# Altium PCB GEM_AFE_128.PcbDoc (part 10 of 18)
Units mm, origin at the board's own origin, x right, y up, seen from the top; angles counter-clockwise.
Board outline 112 x 81.5 mm, 8 copper layers (Top Layer, L1, L2, L3, L4, L5, L6, Bottom Layer), stack 1.52 mm thick; 1880 components, 1258 nets, 6287 pads, 2369 vias.
Unrouted connection lines stored in the file: 4.
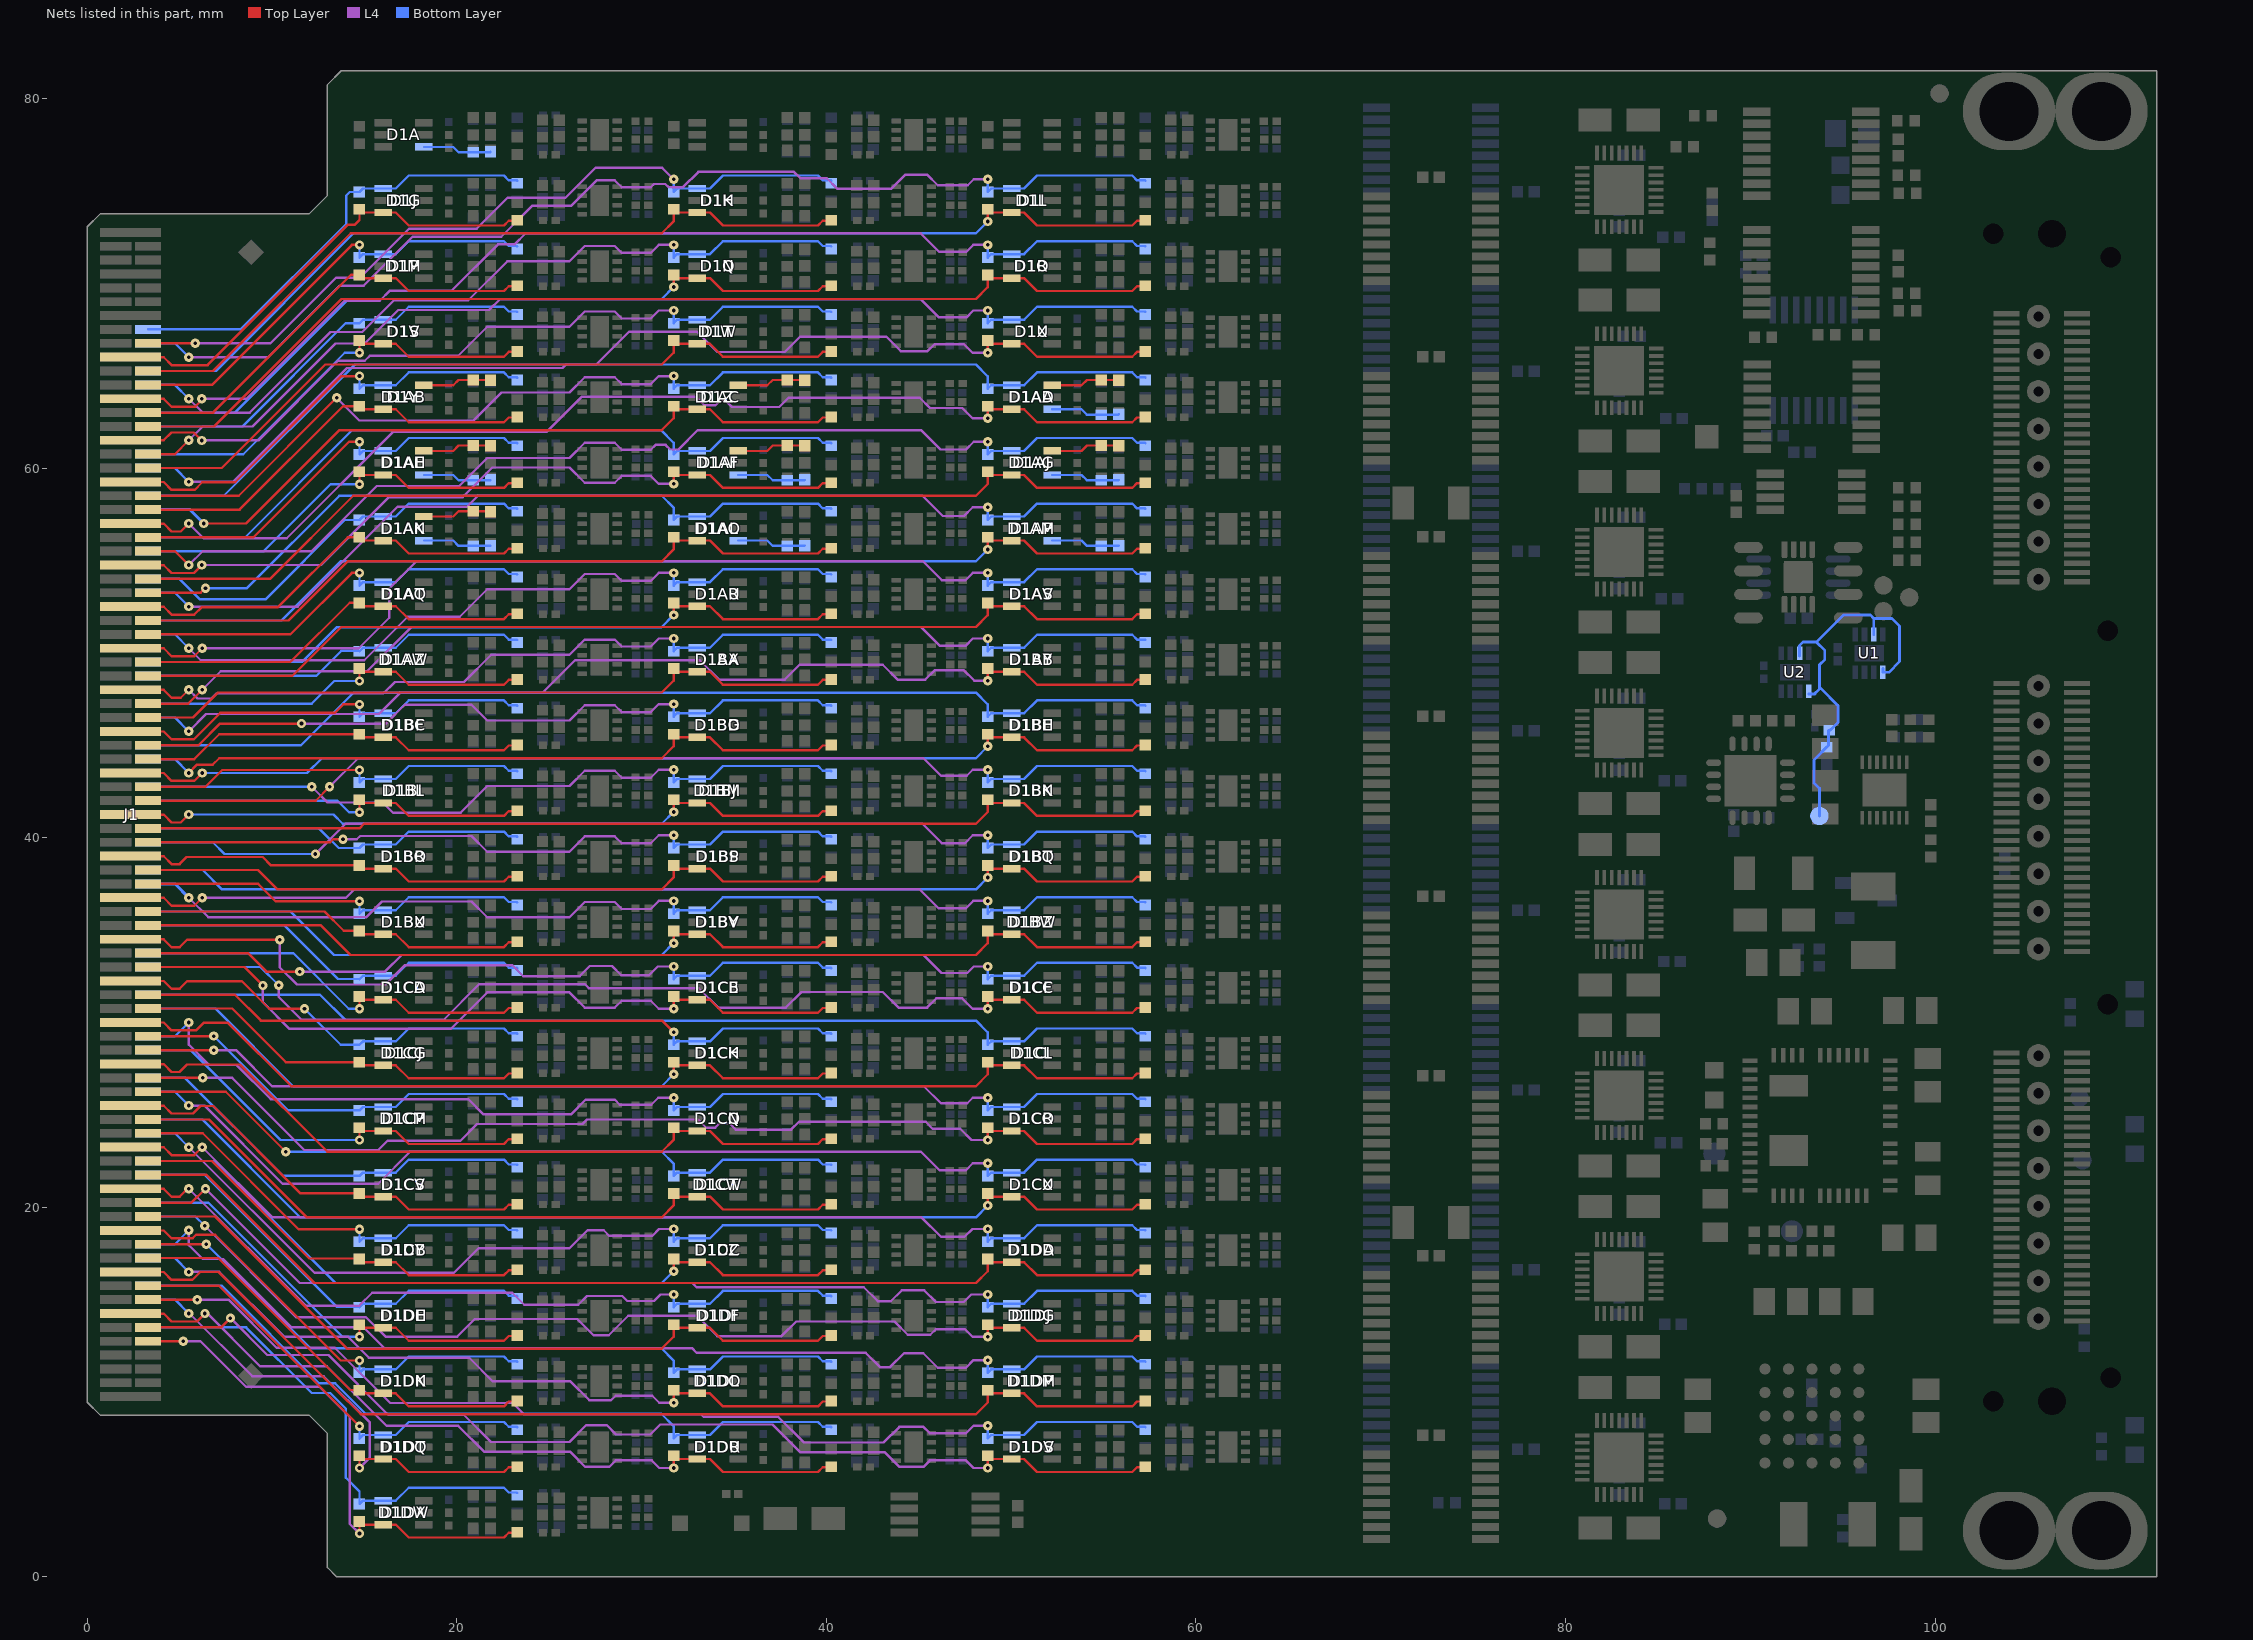
[diagram p16: the nets of this part, all layers, seen from the top]

## Via types
v1: diameter 0.5, hole 0.2, Top Layer to Bottom Layer, tented both sides, 1849 vias
v2: diameter 0.45, hole 0.2, Top Layer to Bottom Layer, tented both sides, 506 vias
v3: diameter 0.45, hole 0.2, Top Layer to Bottom Layer, 14 vias

## Nets (pads, with @x,y where several pads share a name; then routed paths per layer and width w, separated by ;. In a path a pad name is that pad's centre, name@x,y a point inside that pad or via, vN(x,y) a via of type N, cw(c..) or ccw(c..) an arc to the next point about the centre after c; other vN are vias at no path point) (continued)
IN_P6: D1G.3 J1.93 R4G.1 R8G.1 | length 24.4
  Bottom Layer w0.127: J1.93@3.3,67.5 8.295,67.5 14.017,73.223 14.017,74.742 14.212,74.937 R4G.1@14.736,74.937 14.924,75.125 16.7,75.125 17.4,75.825 22.55,75.825 22.809,75.566 23.24,75.566 R8G.1@23.266,75.54
IN_P7: D1H.3 J1.77 R4H.1 R8H.1 | length 42.3
  Top Layer w0.127: J1.77@3.3,66.75 v1(5.85,66.75)
  L4 w0.127: v1(5.85,66.75) 9.924,66.75 13.478,70.304 14.778,70.304 17.427,72.953 21.078,72.953 22.75,74.625 25.887,74.625 27.512,76.25 31.111,76.25 v1(31.736,75.625)
  Bottom Layer w0.127: v1@31.736,75.609 R4H.1@31.736,74.937 31.924,75.125 33.7,75.125 34.4,75.825 39.55,75.825 39.809,75.566 40.24,75.566 R8H.1@40.266,75.54
IN_P8: D1I.3 J1.94 R4I.1 R8I.1 | length 61.1
  L4 w0.127: v1(5.5,66) 9.8,66 13.661,69.861 14.961,69.861 17.61,72.51 22.41,72.51 24.1,74.2 26.201,74.2 27.567,75.566 28.55,75.566 28.925,75.191 30.5,75.191 30.681,75.372 31.285,75.372 31.456,75.2 32.25,75.2 33.075,76.025 38.25,76.025 38.6,75.675 40.025,75.675 40.582,75.118 43.518,75.118 44.275,75.875 45.45,75.875 46.025,75.3 47.65,75.3 47.975,75.625 v1(48.736,75.625)
  Bottom Layer w0.127: J1.94@3.3,66.75 4.75,66.75 v1(5.5,66) ; v1@48.736,75.609 R4I.1@48.736,74.937 48.924,75.125 50.7,75.125 51.4,75.825 56.55,75.825 56.809,75.566 57.24,75.566 R8I.1@57.266,75.54
IN_P9: D1J.3 J1.76 R4J.1 R8J.1 | length 25.6
  Top Layer w0.127: J1.76@2.357,65.993 4.146,65.993 4.571,65.568 6.518,65.568 14.121,73.171 14.488,73.171 14.736,73.419 14.736,74.013 14.924,73.825 16.7,73.825 17.4,73.125 22.551,73.125 22.81,73.384 23.24,73.384 R8J.1@23.266,73.41 ; R8J.1@23.143,73.42 R8J.1@23.266,73.543
IN_P10: D1K.3 J1.75 R4K.1 R8K.1 | length 41.6
  Top Layer w0.127: J1.75@3.3,65.25 6.814,65.25 14.264,72.7 31.095,72.7 31.736,73.341 31.736,74.013 31.924,73.825 33.7,73.825 34.4,73.125 39.551,73.125 39.81,73.384 40.24,73.384 R8K.1@40.266,73.41 ; R8K.1@40.143,73.42 R8K.1@40.266,73.543
IN_P11: D1L.3 J1.96 R4L.1 R8L.1 | length 58.6
  Top Layer w0.127: v1(48.736,73.341) 48.736,74.013 48.924,73.825 50.7,73.825 51.4,73.125 56.551,73.125 56.81,73.384 57.24,73.384 R8L.1@57.266,73.41 ; R8L.1@57.143,73.42 R8L.1@57.266,73.543
  Bottom Layer w0.127: J1.96@3.3,65.25 6.968,65.25 14.418,72.7 48.095,72.7 v1(48.736,73.341)
IN_P12: D1M.3 J1.74 R4M.1 R8M.1 | length 24.3
  Top Layer w0.127: J1.74@3.3,64.5 6.75,64.5 14.325,72.075 v1(14.736,72.075)
  Bottom Layer w0.127: R4M.1@14.736,71.387 14.924,71.575 16.7,71.575 17.4,72.275 22.55,72.275 22.809,72.016 23.24,72.016 R8M.1@23.266,71.99 ; R4M.1@14.736,71.387 v1@14.736,72.059
IN_P13: D1N.3 J1.97 R4N.1 R8N.1 | length 42.8
  L4 w0.127: v1(5.5,63.75) 6.25,63 8.8,63 13.162,67.362 14.887,67.362 16.6,69.075 20.623,69.075 22.739,71.191 26.1,71.191 26.925,72.016 28.55,72.016 28.925,71.641 30.5,71.641 30.934,72.075 v1(31.736,72.075)
  Bottom Layer w0.127: J1.97@3.3,64.5 4.75,64.5 v1(5.5,63.75) ; v1@31.736,72.059 R4N.1@31.736,71.387 31.924,71.575 33.7,71.575 34.4,72.275 39.55,72.275 39.809,72.016 40.24,72.016 R8N.1@40.266,71.99
IN_P14: D1O.3 J1.73 R4O.1 R8O.1 | length 60.7
  Top Layer w0.127: J1.73@2.357,63.743 4.146,63.743 4.571,63.318 5.843,63.318 v1@6.25,63.725
  L4 w0.127: v1(6.201,63.744) 8.62,63.744 13.926,69.05 15.834,69.05 16.384,69.6 19.725,69.6 22.225,72.1 23.129,72.1 23.729,72.7 45.1,72.7 46.1,71.7 47.575,71.7 47.95,72.075 v1(48.736,72.075)
  Bottom Layer w0.127: v1@48.736,72.059 R4O.1@48.736,71.387 48.924,71.575 50.7,71.575 51.4,72.275 56.55,72.275 56.809,72.016 57.24,72.016 R8O.1@57.266,71.99
IN_P15: D1P.3 J1.72 R4P.1 R8P.1 | length 23.7
  Top Layer w0.127: J1.72@3.3,63 6.818,63 14.28,70.462 14.735,70.462 14.736,70.463 14.924,70.275 16.7,70.275 17.4,69.575 22.551,69.575 22.81,69.834 23.24,69.834 R8P.1@23.266,69.86 ; R8P.1@23.143,69.87 R8P.1@23.266,69.993
IN_P16: D1Q.3 J1.99 R4Q.1 R8Q.1 | length 41.1
  Top Layer w0.127: v1(31.736,69.791) 31.736,70.463 31.924,70.275 33.7,70.275 34.4,69.575 39.551,69.575 39.81,69.834 40.24,69.834 R8Q.1@40.266,69.86 ; R8Q.1@40.143,69.87 R8Q.1@40.266,69.993
  Bottom Layer w0.127: J1.99@3.3,63 7.998,63 14.148,69.15 31.095,69.15 v1(31.736,69.791)
IN_P17: D1R.3 J1.71 R4R.1 R8R.1 | length 58.4
  Top Layer w0.127: J1.71@3.3,62.25 6.865,62.25 13.765,69.15 48.095,69.15 48.736,69.791 48.736,70.463 48.924,70.275 50.7,70.275 51.4,69.575 56.551,69.575 56.81,69.834 57.24,69.834 R8R.1@57.266,69.86 ; R8R.1@57.143,69.87 R8R.1@57.266,69.993
IN_P18: D1S.3 J1.100 R4S.1 R8S.1 | length 22.8
  Bottom Layer w0.127: J1.100@3.3,62.25 8.4,62.25 13.987,67.837 R4S.1@14.736,67.837 ; R4S.1@14.736,67.837 14.924,68.025 16.7,68.025 17.4,68.725 22.55,68.725 22.809,68.466 23.24,68.466 R8S.1@23.266,68.44
IN_P19: D1T.3 J1.70 R4T.1 R8T.1 | length 42.7
  Top Layer w0.127: J1.70@2.35,61.5 4.139,61.5 4.564,61.925 5.77,61.925 v1(6.201,61.494)
  L4 w0.127: v1(6.201,61.494) 9.269,61.494 13.575,65.8 15.025,65.8 15.3,66.075 20.084,66.075 21.65,67.641 26.1,67.641 26.925,68.466 28.55,68.466 28.925,68.091 30.5,68.091 30.934,68.525 v1(31.736,68.525)
  Bottom Layer w0.127: v1@31.736,68.509 R4T.1@31.736,67.837 31.924,68.025 33.7,68.025 34.4,68.725 39.55,68.725 39.809,68.466 40.24,68.466 R8T.1@40.266,68.44
IN_P20: D1U.3 J1.69 R4U.1 R8U.1 | length 59.2
  Top Layer w0.127: J1.69@3.3,60.75 4.75,60.75 v1(5.5,61.5)
  L4 w0.127: v1(5.5,61.5) 6.25,62.25 8.95,62.25 13.434,66.734 15.023,66.734 16.839,68.55 21.75,68.55 22.325,69.125 45.125,69.125 46.1,68.15 47.575,68.15 47.95,68.525 v1(48.736,68.525)
  Bottom Layer w0.127: v1@48.736,68.509 R4U.1@48.736,67.837 48.924,68.025 50.7,68.025 51.4,68.725 56.55,68.725 56.809,68.466 57.24,68.466 R8U.1@57.266,68.44
IN_P21: D1V.3 J1.102 R4V.1 R8V.1 | length 23.6
  Top Layer w0.127: v1(14.736,66.241) 14.736,66.913 14.924,66.725 16.7,66.725 17.4,66.025 22.551,66.025 22.81,66.284 23.24,66.284 R8V.1@23.266,66.31 ; R8V.1@23.143,66.32 R8V.1@23.266,66.443
  Bottom Layer w0.127: J1.102@3.3,60.75 8.45,60.75 13.941,66.241 v1(14.736,66.241)
IN_P22: D1W.3 J1.68 R4W.1 R8W.1 | length 40.9
  Top Layer w0.127: J1.68@3.3,60 7.282,60 12.882,65.6 31.095,65.6 31.736,66.241 31.736,66.913 31.924,66.725 33.7,66.725 34.4,66.025 39.551,66.025 39.81,66.284 40.24,66.284 R8W.1@40.266,66.31 ; R8W.1@40.143,66.32 R8W.1@40.266,66.443
IN_P23: D1X.3 J1.103 R4X.1 R8X.1 | length 60.4
  Top Layer w0.127: v1(48.736,66.241) 48.736,66.913 48.924,66.725 50.7,66.725 51.4,66.025 56.551,66.025 56.81,66.284 57.24,66.284 R8X.1@57.266,66.31 ; R8X.1@57.143,66.32 R8X.1@57.266,66.443
  L4 w0.127: v1(5.5,59.25) 7.9,59.25 14.059,65.409 25.714,65.409 25.904,65.599 27.549,65.599 29.325,67.375 33,67.375 34.1,66.275 37.75,66.275 38.575,67.1 43.25,67.1 44.025,66.325 45.475,66.325 45.85,66.7 47.45,66.7 47.909,66.241 v1(48.736,66.241)
  Bottom Layer w0.127: J1.103@3.3,60 4.75,60 v1(5.5,59.25)
IN_P24: D1Y.3 J1.67 R4Y.1 R8Y.1 | length 24.8
  Top Layer w0.127: J1.67@2.357,59.243 4.146,59.243 4.571,58.818 5.818,58.818 6.225,59.225 8.012,59.225 13.762,64.975 v1(14.736,64.975)
  Bottom Layer w0.127: v1@14.736,64.959 R4Y.1@14.736,64.287 14.924,64.475 16.7,64.475 17.4,65.175 22.55,65.175 22.809,64.916 23.24,64.916 R8Y.1@23.266,64.89
IN_P25: D1Z.3 J1.66 R4Z.1 R8Z.1 | length 42.1
  Top Layer w0.127: J1.66@3.3,58.5 8.2,58.5 v1(13.5,63.8)
  L4 w0.127: v1(13.5,63.8) 14.725,62.575 20.9,62.575 22.416,64.091 26.1,64.091 26.925,64.916 28.55,64.916 28.925,64.541 30.5,64.541 30.934,64.975 v1(31.736,64.975)
  Bottom Layer w0.127: v1@31.736,64.959 R4Z.1@31.736,64.287 31.924,64.475 33.7,64.475 34.4,65.175 39.55,65.175 39.809,64.916 40.24,64.916 R8Z.1@40.266,64.89
IN_P26: D1AA.3 J1.105 R4AA.1 R8AA.1 | length 58.3
  Bottom Layer w0.127: J1.105@3.3,58.5 7.396,58.5 14.496,65.6 48.095,65.6 48.736,64.959 R4AA.1@48.736,64.287 48.924,64.475 50.7,64.475 51.4,65.175 56.55,65.175 56.809,64.916 57.24,64.916 R8AA.1@57.266,64.89
IN_P27: D1AB.3 J1.65 R4AB.1 R8AB.1 | length 22.9
  Top Layer w0.127: J1.65@3.3,57.75 8.25,57.75 13.847,63.347 R4AB.1@14.736,63.347 ; R4AB.1@14.736,63.363 14.924,63.175 16.7,63.175 17.4,62.475 22.551,62.475 22.81,62.734 23.24,62.734 R8AB.1@23.266,62.76 ; R8AB.1@23.143,62.77 R8AB.1@23.266,62.893
IN_P28: D1AC.3 J1.106 R4AC.1 R8AC.1 | length 41
  Top Layer w0.127: v1(6.306,57) 8.6,57 13.65,62.05 31.095,62.05 31.736,62.691 31.736,63.363 31.924,63.175 33.7,63.175 34.4,62.475 39.551,62.475 39.81,62.734 40.24,62.734 R8AC.1@40.266,62.76 ; R8AC.1@40.143,62.77 R8AC.1@40.266,62.893
  Bottom Layer w0.16: J1.106@3.3,57.75 5.556,57.75 v1(6.306,57)
IN_P29: D1AD.3 J1.64 R4AD.1 R8AD.1 | length 61.2
  Top Layer w0.127: J1.64@2.357,56.993 4.146,56.993 4.571,56.568 5.068,56.568 v1(5.5,57) ; v1(48.736,62.691) 48.736,63.363 48.924,63.175 50.7,63.175 51.4,62.475 56.551,62.475 56.81,62.734 57.24,62.734 R8AD.1@57.266,62.76 ; R8AD.1@57.143,62.77 R8AD.1@57.266,62.893
  L4 w0.127: v1(5.5,57) 6.3,56.2 10.8,56.2 16.55,61.95 24.85,61.95 26.75,63.85 32.95,63.85 33.4,63.4 34,63.4 34.25,63.65 34.55,63.65 34.9,63.3 37.45,63.3 37.95,63.8 45.05,63.8 45.6,63.25 47.35,63.25 47.909,62.691 v1(48.736,62.691)
IN_P30: D1AE.3 J1.63 R4AE.1 R8AE.1 | length 23.3
  Top Layer w0.127: J1.63@3.3,56.25 9,56.25 14.175,61.425 v1(14.736,61.425)
  Bottom Layer w0.127: R4AE.1@14.736,60.737 14.924,60.925 16.7,60.925 17.4,61.625 22.55,61.625 22.809,61.366 23.24,61.366 R8AE.1@23.266,61.34 ; R4AE.1@14.736,60.737 v1@14.736,61.409
IN_P31: D1AF.3 J1.108 R4AF.1 R8AF.1 | length 40.8
  Bottom Layer w0.127: J1.108@3.3,56.25 4.75,56.25 8.55,56.25 14.35,62.05 31.05,62.05 31.736,61.364 R4AF.1@31.736,60.737 31.924,60.925 D1AF.3@33.025,60.925 33.7,60.925 34.4,61.625 39.55,61.625 39.809,61.366 40.24,61.366 R8AF.1@40.266,61.34
IN_P32: D1AG.3 J1.62 R4AG.1 R8AG.1 | length 59.6
  Top Layer w0.127: J1.62@3.3,55.5 4.75,55.5 v1(5.5,54.75)
  L4 w0.127: v1(5.5,54.75) 6.25,55.5 12.145,55.5 15.67,59.025 20.134,59.025 21.65,60.541 26.1,60.541 26.925,61.366 28.55,61.366 28.925,60.991 30.5,60.991 30.759,61.25 31.3,61.25 31.55,61 31.994,61 33.044,62.05 45.125,62.05 46.175,61 47.55,61 47.975,61.425 v1(48.736,61.425)
  Bottom Layer w0.127: v1@48.736,61.409 R4AG.1@48.736,60.737 48.924,60.925 D1AG.3@50.025,60.925 50.7,60.925 51.4,61.625 56.55,61.625 56.809,61.366 57.24,61.366 R8AG.1@57.266,61.34
IN_P33: D1AH.3 J1.109 R4AH.1 R8AH.1 | length 22.8
  Top Layer w0.127: v1(14.736,59.125) R4AH.1@14.736,59.797 ; R4AH.1@14.736,59.813 14.924,59.625 16.7,59.625 17.4,58.925 22.551,58.925 22.81,59.184 23.24,59.184 R8AH.1@23.266,59.21 ; R8AH.1@23.143,59.22 R8AH.1@23.266,59.343
  Bottom Layer w0.127: J1.109@3.3,55.5 9.55,55.5 13.175,59.125 v1(14.736,59.125)
IN_P34: D1AI.3 J1.61 R4AI.1 R8AI.1 | length 42.5
  Top Layer w0.127: J1.61@2.357,54.743 4.146,54.743 4.571,54.318 5.777,54.318 v1(6.207,54.749) ; v1(31.736,59.141) 31.736,59.813 31.924,59.625 33.7,59.625 34.4,58.925 39.551,58.925 39.81,59.184 40.24,59.184 R8AI.1@40.266,59.21 ; R8AI.1@40.143,59.22 R8AI.1@40.266,59.343
  L4 w0.127: v1(6.207,54.749) 12.658,54.749 16.334,58.425 20.322,58.425 21.922,60.025 26.1,60.025 26.925,59.2 28.55,59.2 28.925,59.575 30.5,59.575 30.934,59.141 v1(31.736,59.141)
IN_P35: D1AJ.3 J1.60 R4AJ.1 R8AJ.1 | length 57.4
  Top Layer w0.127: J1.60@3.3,54 9.9,54 14.4,58.5 48.095,58.5 48.736,59.141 48.736,59.813 48.924,59.625 50.7,59.625 51.4,58.925 56.551,58.925 56.81,59.184 57.24,59.184 R8AJ.1@57.266,59.21 ; R8AJ.1@57.143,59.22 R8AJ.1@57.266,59.343
IN_P36: D1AK.3 J1.111 R4AK.1 R8AK.1 | length 22.7
  Bottom Layer w0.127: J1.111@3.3,54 4.998,54 6.105,52.893 9.643,52.893 13.937,57.187 R4AK.1@14.736,57.187 ; R4AK.1@14.736,57.187 14.924,57.375 16.7,57.375 17.4,58.075 22.55,58.075 22.809,57.816 23.24,57.816 R8AK.1@23.266,57.79
IN_P37: D1AL.3 J1.59 R4AL.1 R8AL.1 | length 40.6
  Top Layer w0.127: J1.59@3.3,53.25 6.139,53.25 6.389,53.5 v1(6.4,53.5)
  Bottom Layer w0.127: v1(6.4,53.5) 8.65,53.5 13.65,58.5 31.095,58.5 31.736,57.859 R4AL.1@31.736,57.187 31.924,57.375 33.7,57.375 34.4,58.075 39.55,58.075 39.809,57.816 40.24,57.816 R8AL.1@40.266,57.79
IN_P38: D1AM.3 J1.112 R4AM.1 R8AM.1 | length 58.6
  L4 w0.127: v1(5.5,52.5) 11.4,52.5 16.8,57.9 20.55,57.9 21.15,58.5 45.2,58.5 46.3,57.4 47.45,57.4 47.925,57.875 v1(48.736,57.875)
  Bottom Layer w0.127: J1.112@3.3,53.25 4.75,53.25 v1(5.5,52.5) ; v1@48.736,57.859 R4AM.1@48.736,57.187 48.924,57.375 50.7,57.375 51.4,58.075 56.55,58.075 56.809,57.816 57.24,57.816 R8AM.1@57.266,57.79
IN_P39: D1AN.3 J1.58 R4AN.1 R8AN.1 | length 23.5
  Top Layer w0.127: J1.58@2.357,52.493 4.146,52.493 4.571,52.068 5.8,52.068 6.206,52.475 10.325,52.475 14.097,56.247 R4AN.1@14.736,56.247 ; R4AN.1@14.736,56.263 14.924,56.075 16.7,56.075 17.4,55.375 22.551,55.375 22.81,55.634 23.24,55.634 R8AN.1@23.266,55.66 ; R8AN.1@23.143,55.67 R8AN.1@23.266,55.793
IN_P40: D1AO.3 J1.57 R4AO.1 R8AO.1 | length 39.9
  Top Layer w0.127: J1.57@3.3,51.75 10.893,51.75 14.093,54.95 14.667,54.95 31.095,54.95 31.736,55.591 31.736,56.263 31.924,56.075 33.7,56.075 34.4,55.375 39.551,55.375 39.81,55.634 40.24,55.634 R8AO.1@40.266,55.66 ; R8AO.1@40.143,55.67 R8AO.1@40.266,55.793
IN_P41: D1AP.3 J1.114 R4AP.1 R8AP.1 | length 56.9
  Top Layer w0.127: v1(48.736,55.591) 48.736,56.263 48.924,56.075 50.7,56.075 51.4,55.375 56.551,55.375 56.81,55.634 57.24,55.634 R8AP.1@57.266,55.66 ; R8AP.1@57.143,55.67 R8AP.1@57.266,55.793
  Bottom Layer w0.127: J1.114@3.3,51.75 10.509,51.75 13.709,54.95 48.095,54.95 v1(48.736,55.591)
IN_P42: D1AQ.3 J1.56 R4AQ.1 R8AQ.1 | length 22.5
  Top Layer w0.127: J1.56@3.3,51 11,51 14.325,54.325 v1(14.736,54.325)
  Bottom Layer w0.127: v1@14.736,54.309 R4AQ.1@14.736,53.637 14.924,53.825 16.7,53.825 17.4,54.525 22.55,54.525 22.809,54.266 23.24,54.266 R8AQ.1@23.266,54.24
IN_P43: D1AR.3 J1.115 R4AR.1 R8AR.1 | length 41
  L4 w0.127: v1(5.5,50.25) 6.15,49.6 14.998,49.6 17.348,51.95 20.159,51.95 21.65,53.441 26.1,53.441 26.925,54.266 28.55,54.266 28.925,53.891 30.5,53.891 30.934,54.325 v1(31.736,54.325)
  Bottom Layer w0.127: J1.115@3.3,51 4.75,51 v1(5.5,50.25) ; v1@31.736,54.309 R4AR.1@31.736,53.637 31.924,53.825 33.7,53.825 34.4,54.525 39.55,54.525 39.809,54.266 40.24,54.266 R8AR.1@40.266,54.24
IN_P44: D1AS.3 J1.55 R4AS.1 R8AS.1 | length 59.9
  Top Layer w0.127: J1.55@2.357,50.243 4.146,50.243 4.571,49.818 5.793,49.818 v1(6.225,50.25)
  L4 w0.127: v1(6.225,50.25) 14.7,50.25 16.35,51.9 16.35,53.475 17.825,54.95 45.225,54.95 46.25,53.925 47.525,53.925 47.925,54.325 v1(48.736,54.325)
  Bottom Layer w0.127: v1@48.736,54.309 R4AS.1@48.736,53.637 48.924,53.825 50.7,53.825 51.4,54.525 56.55,54.525 56.809,54.266 57.24,54.266 R8AS.1@57.266,54.24
IN_P45: D1AT.3 J1.54 R4AT.1 R8AT.1 | length 22
  Top Layer w0.127: J1.54@3.3,49.5 10.993,49.5 14.205,52.713 14.736,52.713 14.924,52.525 16.7,52.525 17.4,51.825 22.551,51.825 22.81,52.084 23.24,52.084 R8AT.1@23.266,52.11 ; R8AT.1@23.143,52.12 R8AT.1@23.266,52.243
IN_P46: D1AU.3 J1.117 R4AU.1 R8AU.1 | length 39.3
  Top Layer w0.127: v1(31.736,52.041) 31.736,52.713 31.924,52.525 33.7,52.525 34.4,51.825 39.551,51.825 39.81,52.084 40.24,52.084 R8AU.1@40.266,52.11 ; R8AU.1@40.143,52.12 R8AU.1@40.266,52.243
  Bottom Layer w0.127: J1.117@3.3,49.5 11.625,49.5 13.5,51.375 31.07,51.375 v1(31.736,52.041)
IN_P47: D1AV.3 J1.53 R4AV.1 R8AV.1 | length 56.7
  Top Layer w0.127: J1.53@3.3,48.75 11.097,48.75 13.747,51.4 48.095,51.4 48.736,52.041 48.736,52.713 48.924,52.525 50.7,52.525 51.4,51.825 56.551,51.825 56.81,52.084 57.24,52.084 R8AV.1@57.266,52.11 ; R8AV.1@57.143,52.12 R8AV.1@57.266,52.243
IN_P48: D1AW.3 J1.118 R4AW.1 R8AW.1 | length 21
  Bottom Layer w0.127: J1.118@3.3,48.75 12.393,48.75 13.746,50.103 R4AW.1@14.736,50.103 ; R4AW.1@14.736,50.087 14.924,50.275 16.7,50.275 17.4,50.975 22.55,50.975 22.809,50.716 23.24,50.716 R8AW.1@23.266,50.69
IN_P49: D1AX.3 J1.52 R4AX.1 R8AX.1 | length 41.3
  Top Layer w0.127: J1.52@2.357,47.993 4.146,47.993 4.571,47.568 5.068,47.568 v1(5.5,48)
  L4 w0.127: v1(5.5,48) 5.971,47.529 6.729,47.529 7,47.8 16.025,47.8 16.65,48.425 20.4,48.425 21.866,49.891 26.1,49.891 26.925,50.716 28.55,50.716 28.925,50.341 30.5,50.341 30.934,50.775 v1(31.736,50.775)
  Bottom Layer w0.127: v1@31.736,50.759 R4AX.1@31.736,50.087 31.924,50.275 33.7,50.275 34.4,50.975 39.55,50.975 39.809,50.716 40.24,50.716 R8AX.1@40.266,50.69
IN_P50: D1AY.3 J1.51 R4AY.1 R8AY.1 | length 57.4
  Top Layer w0.127: J1.51@3.3,47.25 5.475,47.25 v1(6.225,48)
  L4 w0.127: v1(6.225,48) 7.225,49 15.149,49 17.549,51.4 45.125,51.4 46.15,50.375 47.525,50.375 47.925,50.775 v1(48.736,50.775)
  Bottom Layer w0.127: v1@48.736,50.759 R4AY.1@48.736,50.087 48.924,50.275 50.7,50.275 51.4,50.975 56.55,50.975 56.809,50.716 57.24,50.716 R8AY.1@57.266,50.69
IN_P51: D1AZ.3 J1.120 R4AZ.1 R8AZ.1 | length 21.8
  Top Layer w0.127: v1(14.736,48.475) R4AZ.1@14.736,49.147 ; R4AZ.1@14.736,49.163 14.924,48.975 16.7,48.975 17.4,48.275 22.551,48.275 22.81,48.534 23.24,48.534 R8AZ.1@23.266,48.56 ; R8AZ.1@23.143,48.57 R8AZ.1@23.266,48.693
  Bottom Layer w0.127: J1.120@3.3,47.25 12.15,47.25 13.375,48.475 v1(14.736,48.475)
IN_P52: D1BA.3 J1.50 R4BA.1 R8BA.1 | length 39.1
  Top Layer w0.127: J1.50@3.3,46.5 5.727,46.5 7.077,47.85 31.095,47.85 31.736,48.491 31.736,49.163 31.924,48.975 33.7,48.975 34.4,48.275 39.551,48.275 39.81,48.534 40.24,48.534 R8BA.1@40.266,48.56 ; R8BA.1@40.143,48.57 R8BA.1@40.266,48.693
IN_P53: D1BB.3 J1.121 R4BB.1 R8BB.1 | length 58.7
  Top Layer w0.127: v1(48.736,48.491) 48.736,49.163 48.924,48.975 50.7,48.975 51.4,48.275 56.551,48.275 56.81,48.534 57.24,48.534 R8BB.1@57.266,48.56 ; R8BB.1@57.143,48.57 R8BB.1@57.266,48.693
  L4 w0.127: v1(5.5,45.75) 6.436,46.686 15.786,46.686 16.95,47.85 24.65,47.85 26.4,49.6 33.15,49.6 34.2,48.55 37.75,48.55 38.55,49.35 43.05,49.35 43.85,48.55 45.35,48.55 45.85,49.05 47.45,49.05 48.009,48.491 v1(48.736,48.491)
  Bottom Layer w0.127: J1.121@3.3,46.5 4.75,46.5 v1(5.5,45.75)
IN_P54: D1BC.3 J1.49 R4BC.1 R8BC.1 | length 23
  Top Layer w0.127: J1.49@2.357,45.743 4.146,45.743 4.571,45.318 5.774,45.318 7.206,46.75 13.4,46.75 13.859,47.209 v1(14.736,47.209)
  Bottom Layer w0.127: v1(14.736,47.209) R4BC.1@14.736,46.537 14.924,46.725 16.7,46.725 17.4,47.425 22.55,47.425 22.809,47.166 23.24,47.166 R8BC.1@23.266,47.14
IN_P55: D1BD.3 J1.48 R4BD.1 R8BD.1 | length 40.1
  Top Layer w0.127: J1.48@3.3,45 6.018,45 7.189,46.171 v1(11.597,46.171)
  L4 w0.127: v1(11.597,46.171) 16.171,46.171 17.191,47.191 20.8,47.191 21.65,46.341 26.1,46.341 26.925,47.166 28.55,47.166 28.925,46.791 30.5,46.791 30.934,47.225 v1(31.736,47.225)
  Bottom Layer w0.127: v1@31.736,47.209 R4BD.1@31.736,46.537 31.924,46.725 33.7,46.725 34.4,47.425 39.55,47.425 39.809,47.166 40.24,47.166 R8BD.1@40.266,47.14
IN_P56: D1BE.3 J1.123 R4BE.1 R8BE.1 | length 56.6
  Bottom Layer w0.127: J1.123@3.3,45 11.575,45 14.423,47.848 48.097,47.848 48.736,47.209 R4BE.1@48.736,46.537 48.924,46.725 50.7,46.725 51.4,47.425 56.55,47.425 56.809,47.166 57.24,47.166 R8BE.1@57.266,47.14
IN_P57: D1BF.3 J1.47 R4BF.1 R8BF.1 | length 21.2
  Top Layer w0.127: J1.47@3.3,44.25 5.8,44.25 7.147,45.597 R4BF.1@14.736,45.597 ; R4BF.1@14.736,45.613 14.924,45.425 16.7,45.425 17.4,44.725 22.551,44.725 22.81,44.984 23.24,44.984 R8BF.1@23.266,45.01 ; R8BF.1@23.143,45.02 R8BF.1@23.266,45.143
IN_P58: D1BG.3 J1.124 R4BG.1 R8BG.1 | length 39.2
  Top Layer w0.127: v1(5.5,43.5) 5.95,43.95 6.8,43.95 7.15,44.3 31.095,44.3 31.736,44.941 31.736,45.613 31.924,45.425 33.7,45.425 34.4,44.725 39.551,44.725 39.81,44.984 40.24,44.984 R8BG.1@40.266,45.01 ; R8BG.1@40.143,45.02 R8BG.1@40.266,45.143
  Bottom Layer w0.127: J1.124@3.3,44.25 4.75,44.25 v1(5.5,43.5)
IN_P59: D1BH.3 J1.46 R4BH.1 R8BH.1 | length 57.2
  Top Layer w0.127: J1.46@2.357,43.493 4.146,43.493 4.571,43.068 5.793,43.068 v1(6.225,43.5) ; v1(48.736,44.941) 48.736,45.613 48.924,45.425 50.7,45.425 51.4,44.725 56.551,44.725 56.81,44.984 57.24,44.984 R8BH.1@57.266,45.01 ; R8BH.1@57.143,45.02 R8BH.1@57.266,45.143
  Bottom Layer w0.127: v1(6.225,43.5) 11.9,43.5 12.7,44.3 48.095,44.3 v1(48.736,44.941)
IN_P60: D1BI.3 J1.45 R4BI.1 R8BI.1 | length 21.5
  Top Layer w0.127: J1.45@3.3,42.75 6.4,42.75 7.309,43.659 v1(14.736,43.659)